# Altium PCB FPGA核心板.PcbDoc (part 2 of 3) (continued)
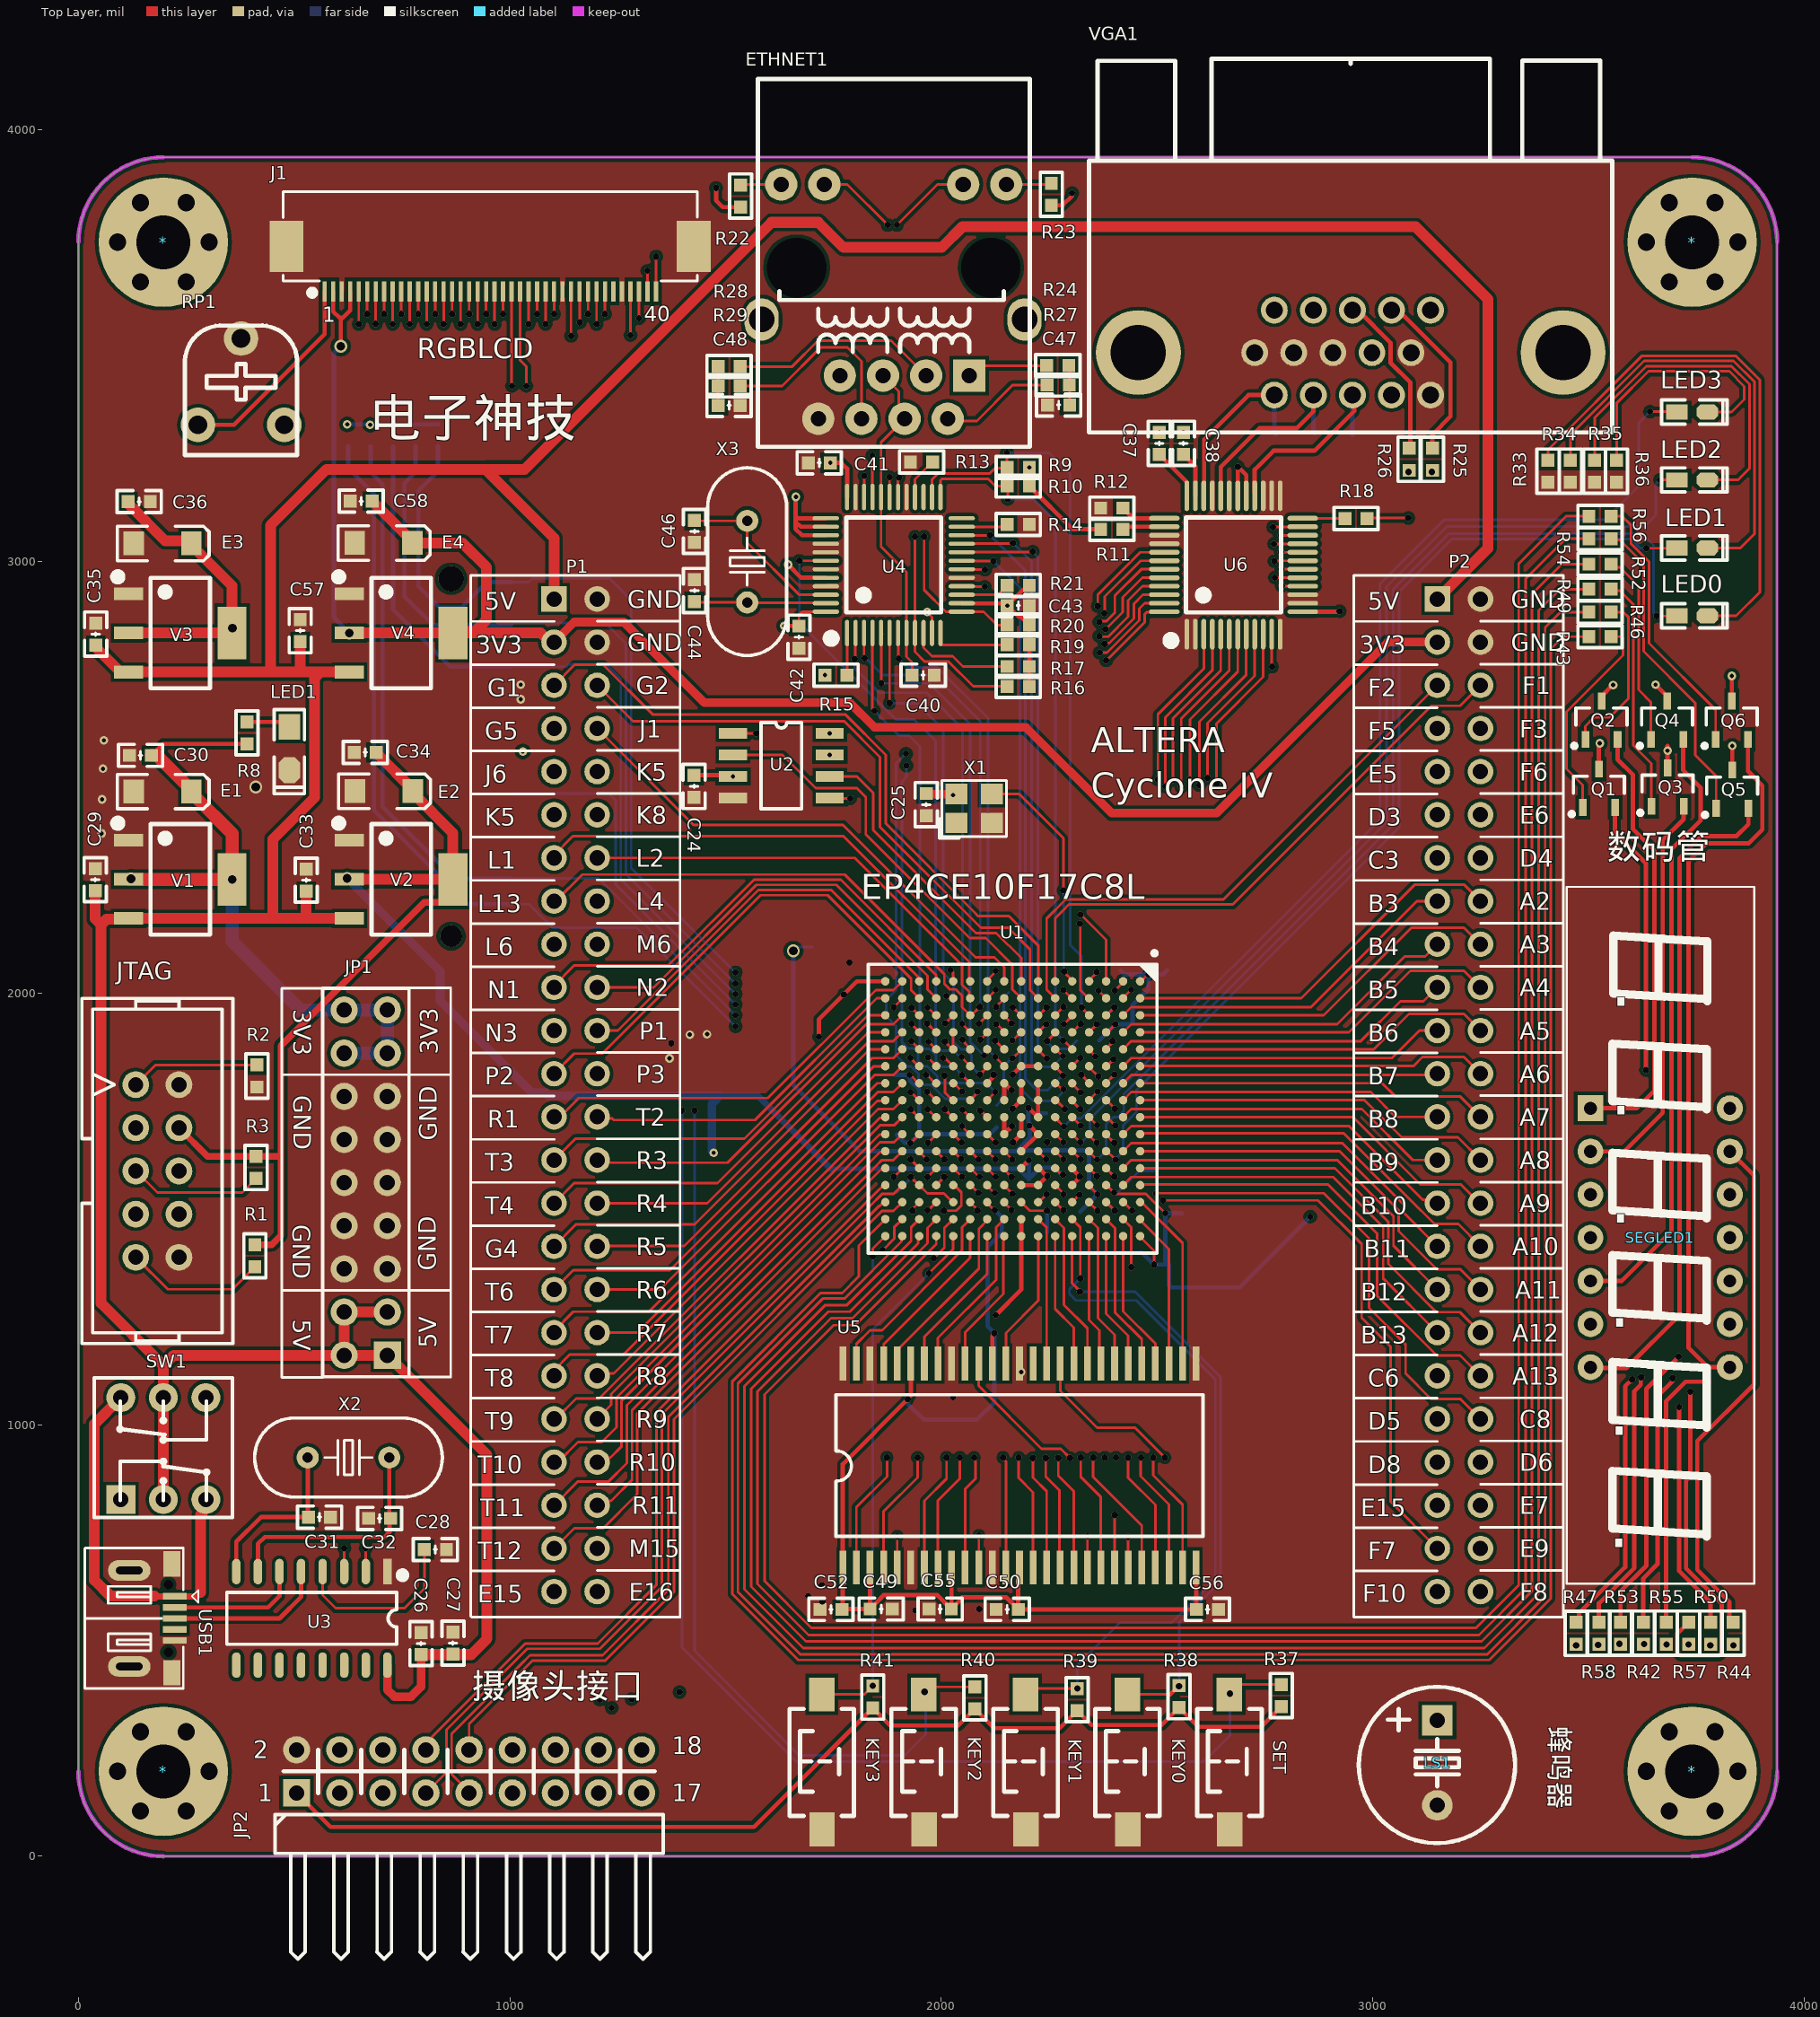
[diagram p0: Top Layer view]
## Nets (pads, with @x,y where several pads share a name; then routed paths per layer and width w, separated by ;. In a path a pad name is that pad's centre, name@x,y a point inside that pad or via, vN(x,y) a via of type N, cw(c..) or ccw(c..) an arc to the next point about the centre after c; other vN are vias at no path point) (continued)
  Layer 2 w6: v1(2245,1655) 2247,1655 2268,1634 2341,1634 v2(2360,1653)
  other v1: 1940,570 2088,573 1724,591 1691,603 1723,628 2027,1064 2321,1575 1374,1884 1787,2071
  other v2: 2245.76,1576
  other v3: 2185,1122 1370,1849 1417,1904 1457,1905 54,2370 55,2449 57,2520 59,2586 1025,2681 1025,2715
  other v4: 411,2478
J1: J1.34 P1.8 U1.J1 | length 2260.4
  Top Layer w6: P1.8@1202.36,2613.39 1425.75,2390 1772,2390 2079,2083 2123,2083 2145.67,2060.33 U1.J1@2145.67,2027.56 ; v1@1220.47,3574.03 J1.34@1220.47,3626.05
  Layer 1 w6: P1.8@1202.36,2613.39 1160,2655.75 1160,3422 1220.44,3482.44 v1(1220.44,3574)
KEY2: KEY2.2 R40.2 U1.M2 | length 2880.5
  Top Layer w6: KEY2.2@1959.02,375 1976.61,392.59 R40.2@2078,392.59 ; v1(2011.57,1993.57) 2014,1993.57 2016.76,1990.81 2024.94,1990.81 U1.M2@2027.56,1988.19 U1.M2@2027.19,1988.19
  Layer 2 w6: v1(1428,1728) 1589.98,1889.98 1630.98,1889.98 1776,2035 1969,2035 2010.43,1993.57 v1(2011.57,1993.57)
  Bottom Layer w6: v1(1428,1728) 1428,476 1670,234 1915,234 1964,283 1964,378 v1(1961,381)
KEY3: KEY3.2 R41.2 U1.M16 | length 1245.6
  Top Layer w6: KEY3.2@1722.8,375 1821.41,375 R41.2@1841,394.59 ; v2(1971,1350.67) 2027.56,1407.22 U1.M16@2027.56,1437.01
  Bottom Layer w6: v1(1841,395) 1841,1220.67 v2(1971,1350.67)
L1: J1.33 P1.13 U1.L1 | length 2680.6
  Top Layer w6: P1.13@1102.36,2313.39 1102.36,2320.36 1146,2364 1773,2364 2064.31,2072.69 2064.31,2030.18 U1.L1@2066.93,2027.56 ; v1@1200.82,3550.38 J1.33@1200.82,3626.08
  Layer 1 w6: P1.13@1102.36,2313.39 1026.61,2313.39 987,2353 987,2774 1076,2863 1133,2863 1146,2876 1146,3428 1200.79,3482.79 v1(1200.79,3550.35)
L2: J1.32 P1.14 U1.L2 | length 2706.3
  Top Layer w6: v1(1181.1,3574.03) J1.32@1181.1,3626.05 ; P1.14@1202.36,2313.39 1799.61,2313.39 2048.09,2064.91 2048.09,2019.75 2064.31,2003.53 2064.31,1990.81 U1.L2@2066.93,1988.19
  Layer 1 w6: v1(1181.1,3574.03) 1181.1,3486.1 1061.13,3366.13 1061.13,2872.13 973,2784 973,2307 1013.51,2266.49 1159.49,2266.49 1202.36,2309.36 P1.14@1202.36,2313.39
LCD_B0: J1.21 P1.27 U1.T3 | length 3106.2
  Top Layer w6: v1(964.6,3550.38) J1.21@964.6,3626.08 ; P1.27@1102.36,1613.39 1151.98,1663 1543.51,1663 1829.33,1948.82 U1.T3@1870.08,1948.82
  Layer 1 w6: v1(964.6,3550.38) 964.6,3459.81 940.5,3435.72 940.5,2927.44 851.64,2838.58 851.64,2248.48 953.87,2146.25 953.87,1700.13 1040.61,1613.39 P1.27@1102.36,1613.39
LCD_B1: J1.22 P1.28 U1.R3 | length 3138.2
  Top Layer w6: v1(984.25,3574.03) J1.22@984.25,3626.05 ; P1.28@1202.36,1613.39 1208.51,1607.24 1504.73,1607.24 1825.78,1928.29 1888.92,1928.29 U1.R3@1909.45,1948.82
  Layer 1 w6: v1(984.25,3574.03) 984.25,3462.5 952.5,3430.75 952.5,2922.47 863.64,2833.61 863.64,2253.45 965.87,2151.22 965.87,1706.13 1004,1668 1131,1668 1135,1664 1151.75,1664 P1.28@1202.36,1613.39
LCD_B2: J1.23 P1.24 U1.P3 | length 2960.3
  Top Layer w6: J1.23@1004,3626.05 1004,3408 v1(1005,3407) ; v2(1931,1966) 1948.18,1948.82 U1.P3@1948.82,1948.82
  Layer 1 w6: v1(1005,3407) 1001,3403 1001,2903.09 911.64,2813.73 911.64,2273.33 1013.87,2171.1 1013.87,1930.13 1088,1856 1159.75,1856 P1.24@1202.36,1813.39 1510.98,2122 1775,2122 v2(1931,1966)
LCD_B3: J1.24 P1.21 U1.N3 | length 2885.6
  Top Layer w6: J1.24@1023.62,3626.05 1024,3625.67 1024,3466 1038,3452 v1(1038,3407) ; v2(1968,1966.5) 1969.25,1966.5 1986.94,1948.82 U1.N3@1988.19,1948.82
  Layer 1 w6: v1(1038,3407) 1038,3396 1025,3383 1025,2893.15 935.64,2803.79 935.64,2283.27 1037.87,2181.05 1037.87,1975.13 1099.61,1913.39 P1.21@1102.36,1913.39 1148.98,1960 1325,1960 1499,2134 1800,2134 1967.5,1966.5 v2(1968,1966.5)
LCD_B4: J1.25 P1.26 U1.T2 | length 2964.7
  Top Layer w6: v1@1043.34,3550.38 J1.25@1043.34,3626.08 ; P1.26@1202.36,1713.39 1206.12,1709.62 1237.38,1709.62 1241,1706 1567.97,1706 1850.16,1988.19 U1.T2@1870.08,1988.19
  Layer 1 w6: v1(1043.31,3550.35) 1043.31,3487.61 976.5,3420.81 976.5,2912.53 887.64,2823.67 887.64,2263.39 989.87,2161.16 989.87,1807.13 1039,1758 1145,1758 1189.61,1713.39 P1.26@1202.36,1713.39
LCD_B5: J1.26 P1.25 U1.R1 | length 3071
  Top Layer w6: v1(1062.96,3574) J1.26@1062.99,3626.05 ; P1.25@1102.36,1713.39 1116.39,1713.39 1160,1757 1598,1757 1848.03,2007.03 1888.92,2007.03 U1.R1@1909.45,2027.56
  Layer 1 w6: v1(1062.96,3574) 1036,3574 1010,3548 1010,3471.28 964.5,3425.78 964.5,2917.5 875.64,2828.64 875.64,2258.42 977.87,2156.19 977.87,1780.13 1044.61,1713.39 P1.25@1102.36,1713.39
LCD_B6: J1.27 P1.23 U1.P2 | length 3104.8
  Top Layer w6: v1(1082.71,3550.38) J1.27@1082.71,3626.08 ; P1.23@1102.36,1813.39 1148.98,1860 1213.91,1860 1580.91,2227 1736.66,2227 1929.98,2033.68 1929.98,2007.03 U1.P2@1948.82,1988.19
  Layer 1 w6: v1(1082.71,3550.38) 1082.71,3510.04 988.5,3415.83 988.5,2907.56 899.64,2818.7 899.64,2268.36 1001.87,2166.13 1001.87,1913.88 P1.23@1102.36,1813.39
LCD_B7: J1.28 P1.22 U1.P1 | length 3001.2
  Top Layer w6: v1(1102.36,3574.03) J1.28@1102.36,3626.05 ; P1.22@1202.36,1913.39 1250.33,1913.39 1575.94,2239 1745,2239 1946.2,2037.8 1946.2,2030.18 U1.P1@1948.82,2027.56
  Layer 1 w6: v1(1102.36,3574.03) 1102.36,3509.36 1021.5,3428.5 1021.5,3399.5 1013,3391 1013,2898.12 923.64,2808.76 923.64,2278.3 1025.87,2176.07 1025.87,1935.4 1088.26,1873 1165,1873 1202.36,1910.36 P1.22@1202.36,1913.39
LCD_CLK: J1.30 P1.20 U1.N2 | length 2832.3
  Top Layer w6: J1.30@1141.73,3626.05 1141.73,3523.27 v1(1142,3523) ; P1.20@1202.36,2013.39 1333.36,2013.39 1570.97,2251 1757,2251 1967.66,2040.34 1967.66,2008.72 U1.N2@1988.19,1988.19
  Layer 1 w6: v1(1142,3523) 1142,3465 1049.13,3372.13 1049.13,2883.15 959.77,2793.79 959.77,2293.27 1062,2191.04 1062,2099.26 1100.78,2060.48 1155.27,2060.48 P1.20@1202.36,2013.39
LCD_DISP: J1.31 P1.19 U1.N1 | length 2876.7
  Top Layer w6: P1.19@1102.36,2013.39 1102.36,2017.36 1149,2064 1367,2064 1566,2263 1767,2263 1987.99,2042.01 1987.99,2027.76 U1.N1@1988.19,2027.56 ; J1.31@1161.45,3626.08 1160,3624.63 1162,3622.63 v1(1162,3554)
  Layer 1 w6: P1.19@1102.36,2013.39 1049.87,2065.88 1049.87,2186.02 947.64,2288.24 947.64,2798.82 1037,2888.18 1037,3378 1121,3462 1121,3534 1141,3554 v1(1162,3554)
LCD_G0: J1.13 P1.35 U1.T7 | length 3712.3
  Top Layer w6: v1(807.12,3550.38) J1.13@807.12,3626.08 ; P1.35@1102.36,1213.39 1102.36,1217.36 1147,1262 1322,1262 1851.24,1791.24 1869.98,1791.24 U1.T7@1870.08,1791.34
  Layer 1 w6: v1(807.12,3550.38) 807.12,3462.85 844,3425.97 844,3339.02 844,3073.88 755,2984.88 755,2116.03 857.87,2013.16 857.87,1297.13 936.91,1218.09 1097.66,1218.09 P1.35@1102.36,1213.39
LCD_G1: J1.14 P1.36 U1.R7 | length 3704.8
  Top Layer w6: v1(826.77,3574.03) J1.14@826.77,3626.05 ; P1.36@1202.36,1213.39 1295.39,1213.39 1852.81,1770.81 1888.92,1770.81 U1.R7@1909.45,1791.34
  Layer 1 w6: v1(826.77,3574.03) 826.77,3460.17 856,3430.94 856,3343.99 856,3068.91 767,2979.91 767,2121 869.87,2018.13 869.87,1347.22 955.09,1262 1122,1262 1163.83,1220.17 1195.58,1220.17 P1.36@1202.36,1213.39
LCD_G2: J1.15 P1.33 U1.T6 | length 3547.7
  Top Layer w6: v1(846.49,3550.38) J1.15@846.49,3626.08 ; P1.33@1102.36,1313.39 1146.98,1358 1371,1358 1843.71,1830.71 U1.T6@1870.08,1830.71
  Layer 1 w6: v1(846.49,3550.38) 846.49,3457.42 868,3435.91 868,3348.96 868,3063.94 779,2974.94 779,2125.97 881.87,2023.1 881.87,1408.71 977.19,1313.39 P1.33@1102.36,1313.39
LCD_G3: J1.16 P1.34 U1.R6 | length 3569
  Top Layer w6: v1(866.14,3574.03) J1.16@866.14,3626.05 ; P1.34@1202.36,1313.39 1348.39,1313.39 1845.18,1810.18 1888.92,1810.18 U1.R6@1909.45,1830.71
  Layer 1 w6: v1(866.14,3574.03) 866.14,3454.74 880,3440.88 880,3353.93 880,3058.97 791,2969.97 791,2130.94 893.87,2028.07 893.87,1413.68 951.54,1356 1159.75,1356 P1.34@1202.36,1313.39
LCD_G4: J1.17 P1.31 U1.T5 | length 3447.8
  Top Layer w6: v1@885.86,3550.38 J1.17@885.86,3626.08 ; P1.31@1102.36,1413.39 1152.98,1464 1428,1464 1834.08,1870.08 U1.T5@1870.08,1870.08
  Layer 1 w6: v1(885.83,3550.35) 892,3544.17 892,3445.85 892,3358.9 892,3054 803,2965 803,2135.91 905.87,2033.05 905.87,1418.65 914.51,1410 1098.98,1410 P1.31@1102.36,1413.39
LCD_G5: J1.18 P1.32 U1.R5 | length 3414.3
  Top Layer w6: v1(905.48,3574) J1.18@905.51,3626.05 ; P1.32@1202.36,1413.39 1202.98,1414 1404,1414 1839.55,1849.55 1888.92,1849.55 U1.R5@1909.45,1870.08
  Layer 1 w6: v1@905,3574 904.5,3573.5 904.5,2942.35 815.64,2853.49 815.64,2233.56 917.87,2131.34 917.87,1513.13 970,1461 1154.75,1461 P1.32@1202.36,1413.39
LCD_G6: J1.19 P1.29 U1.T4 | length 3281.1
  Top Layer w6: v1(925.23,3550.38) J1.19@925.23,3626.08 ; P1.29@1102.36,1513.39 1148.98,1560 1481.49,1560 1830.93,1909.45 U1.T4@1870.08,1909.45
  Layer 1 w6: v1(925.23,3550.38) 925.23,3454.39 916.5,3445.66 916.5,2937.38 827.64,2848.52 827.64,2238.54 929.87,2136.31 929.87,1545.13 961.61,1513.39 P1.29@1102.36,1513.39
LCD_G7: J1.20 P1.30 U1.R4 | length 3252.5
  Top Layer w6: v1(944.88,3574.03) J1.20@944.88,3626.05 ; P1.30@1202.36,1513.39 1457.33,1513.39 1832.86,1888.92 1888.92,1888.92 U1.R4@1909.45,1909.45
  Layer 1 w6: v1(944.88,3574.03) 944.88,3457.07 928.5,3440.69 928.5,2932.41 839.64,2843.55 839.64,2243.51 941.87,2141.28 941.87,1646.13 1018,1570 1145.75,1570 P1.30@1202.36,1513.39
LCD_R0: J1.5 P1.43 U1.T11 | length 4259.2
  Top Layer w6: v1(649.64,3550.38) J1.5@649.64,3626.08 ; P1.43@1102.36,813.39 1156.98,868 1228,868 1271,911 1271,1045 1857.65,1631.65 1867.87,1631.65 U1.T11@1870.08,1633.86
  Layer 1 w6: v1(649.64,3550.38) 649.64,3469.36 746,3373 746,3113.06 658,3025.06 658,2077.03 692,2043.03 ; 692,2043 761.87,1973.13 761.87,1153.88 P1.43@1102.36,813.39
LCD_R1: J1.6 P1.44 U1.R11 | length 4298.3
  Top Layer w6: v1(669.29,3574.03) J1.6@669.29,3626.05 ; P1.44@1202.36,813.39 1212.51,823.54 1234.54,823.54 1283,872 1283,1034 1851.24,1602.24 1851.24,1602.29 1862.27,1613.33 1888.92,1613.33 U1.R11@1909.45,1633.86
  Layer 1 w6: v1(669.29,3574.03) 669.29,3469.71 759,3380 759,3109.09 670,3020.09 670,2082.03 700,2052.03 ; 700,2052 773.87,1978.13 773.87,1163.13 1073,864 1157,864 1202.36,818.64 P1.44@1202.36,813.39
LCD_R2: J1.7 P1.41 U1.T10 | length 4108.1
  Top Layer w6: v1(689,3551) J1.7@689.01,3626.08 ; P1.41@1102.36,913.39 1111.39,913.39 1158,960 1212.84,960 1247,994.16 1247,1063 1856.33,1672.33 1869.18,1672.33 U1.T10@1870.08,1673.23
  Layer 1 w6: v1(689,3551) 689,3476 772,3393 772,3105.12 682,3015.12 682,2087 785.87,1983.13 785.87,1184.13 1056.61,913.39 P1.41@1102.36,913.39
LCD_R3: J1.8 P1.42 U1.R10 | length 4145.8
  Top Layer w6: v1(708.66,3574.03) J1.8@708.66,3626.05 ; P1.42@1202.36,913.39 1212.51,923.54 1232.54,923.54 1259,950 1259,1056 1857.39,1654.39 1890.61,1654.39 U1.R10@1909.45,1673.23
  Layer 1 w6: v1(708.66,3574.03) 708.66,3474.34 784,3399 784,3100.15 694,3010.15 694,2091.97 797.87,1988.1 797.87,1198.13 1035.52,960.48 1155.27,960.48 P1.42@1202.36,913.39
LCD_R4: J1.9 P1.39 U1.T9 | length 3957.5
  Top Layer w6: v1(728.35,3550.35) J1.9@728.35,3626.05 ; P1.39@1102.36,1013.39 1106.39,1013.39 1153.48,1060.48 1206.48,1060.48 1857.02,1711.02 1868.5,1711.02 U1.T9@1870.08,1712.6
  Layer 1 w6: v1(728.35,3550.35) 728.35,3471.65 796,3404 796,3095.18 706,3005.18 706,2096.94 809.87,1993.07 809.87,1206.85 1003.33,1013.39 P1.39@1102.36,1013.39
LCD_R5: J1.10 P1.40 U1.R9 | length 3993.4
  Top Layer w6: v1(748,3574) J1.10@748.03,3626.05 ; P1.40@1202.36,1013.39 1235,1046.02 1235,1071 1857.76,1693.76 1890.61,1693.76 U1.R9@1909.45,1712.6
  Layer 1 w6: v1(748,3574) 748,3471 808,3411 808,3090.21 718,3000.21 718,2101.91 821.87,1998.05 821.87,1211.82 973.21,1060.48 1155.27,1060.48 P1.40@1202.36,1013.39
LCD_R6: J1.11 P1.37 U1.T8 | length 3862.4
  Top Layer w6: v1(767.75,3550.38) J1.11@767.75,3626.08 ; P1.37@1102.36,1113.39 1102.36,1126.36 1139,1163 1264,1163 1851.24,1750.24 1868.35,1750.24 U1.T8@1870.08,1751.97
  Layer 1 w6: v1(767.75,3550.38) 767.75,3468.28 820,3416.03 820,3085.24 730,2995.24 730,2106.88 833.87,2003.02 833.87,1216.79 937.27,1113.39 P1.37@1102.36,1113.39
LCD_R7: J1.12 P1.38 U1.R8 | length 3879.1
  Top Layer w6: v1(787.4,3574.03) J1.12@787.4,3626.05 ; P1.38@1202.36,1113.39 1207.87,1118.89 1240.89,1118.89 1853.44,1731.44 1888.92,1731.44 U1.R8@1909.45,1751.97
  Layer 1 w6: v1(787.4,3574.03) 787.4,3465.6 832,3421 832,3080.27 742,2990.27 742,2111.85 845.87,2007.99 845.87,1221.76 892.77,1174.86 1146.14,1174.86 1202.36,1118.64 P1.38@1202.36,1113.39
LED0: LED0.1 U1.D11 | length 2521.7
  Top Layer w6: U1.D11@2342.52,1633.86 2342.52,1632.48 v2(2361,1614) ; v1(3658,2874) 3704.89,2874 LED0.1@3705.16,2874.27
  Bottom Layer w6: v2(2361,1614) 2382,1635 2382,1696 2399,1713 2409,1713 2423,1727 2423,1766 3046.85,2389.85 3046.85,2935.85 3175.69,3064.69 3623.65,3064.69 3650.5,3037.83 3650.5,2881.5 v1(3658,2874)
LED1: LED1.1@3705.16,3031.75 U1.C11 | length 2322.8
  Top Layer w6: U1.C11@2381.89,1633.86 2384.14,1633.86 v2(2404,1614) ; v1(3634,3031) 3704.41,3031 LED1.1@3705.16,3031.75
  Bottom Layer w6: v2(2404,1614) 2404,1616 2421,1633 2421,1693 2452,1724 2452,1775 3060.99,2383.99 3060.99,2929.99 3183.69,3052.69 3598.31,3052.69 3620,3031 v1(3634,3031)
LED2: LED2.1 U1.E10 | length 2427.8
  Top Layer w6: U1.E10@2303.15,1673.23 2303.21,1673.23 2321.94,1654.5 v2(2322,1654.5) ; v1(3665.5,3189.5) 3704.89,3189.5 LED2.1@3705.16,3189.23
  Bottom Layer w6: v2(2322,1654.5) 2324.8,1654.5 2344.5,1674.2 2344.5,1708.5 3032,2396 3032,2942 3171.68,3081.68 3629.68,3081.68 3656,3108 3656,3180 v1(3665.5,3189.5)
LED3: LED3.1 U1.F9 | length 2543
  Top Layer w6: U1.F9@2263.78,1712.6 2263.78,1711.22 v2(2284,1691) ; v1(3642.5,3347.5) 3704.38,3347.5 LED3.1@3705.16,3346.71
  Bottom Layer w6: v2(2284,1691) 2302.5,1709.5 2323.83,1709.5 3016.68,2402.35 3016.68,2948.35 3165.33,3097 3538,3097 3616,3175 3616,3321 v1(3642.5,3347.5)
LEDSEG_A: R42.2 U1.M11 | length 2672.7
  Top Layer w6: U1.M11@2027.56,1633.86 v2(2046,1615.5)
  Layer 2 w6: v2(2046,1615.5) 2046.5,1615.5 2046.67,1615.33 2056.67,1615.33 2079,1593 2096,1593 2105,1584 2105,1492 2080,1467 2080,1155.03 2222.03,1013 2585.64,1013 2752,846.64 2752,658.05 2943.05,467 3193.05,467 3379.05,281 3462.97,281 3628,446.03 3628,491 v1(3629,492)
LEDSEG_B: R44.2 U1.N12 | length 2947.4
  Top Layer w6: v2(1968,1574) 1988.19,1594.19 U1.N12@1988.19,1594.49
  Layer 2 w6: v2(1968,1574) 2024,1518 2024,1131.83 2198.83,957 2562.45,957 2696,823.45 2696,634.85 2919.85,411 3169.85,411 3355.85,225 3486.17,225 3637.17,376 3801,376 3836,411 v1(3836,489)
LEDSEG_C: R47.2 U1.C9 | length 2298
  Top Layer w6: U1.C9@2381.89,1712.6 2383.4,1712.6 v2(2403,1693)
  Layer 2 w6: v2(2403,1693) 2404,1693 2423,1674 2423,1473 2378,1428 2378,1117 2429,1066 2607.6,1066 2805,868.6 2805,680 2965,520 3215,520 3401,334 3441.02,334 3471,363.98 v1(3471,489)
LEDSEG_CH1: R43.2 U1.T15 | length 5364.2
  Top Layer w6: U1.T15@1870.08,1476.38 1809,1415.3 1809,1344 1770,1305 1720,1305 1515.87,1100.87 1515.87,607.13 1668.13,454.87 3269.87,454.87 3412.25,597.25 3412.25,2797.25 3441,2826 R43.2@3500.82,2826
LEDSEG_CH2: R46.2 U1.R16 | length 5359.4
  Top Layer w6: U1.R16@1909.45,1437.01 1907.41,1434.96 1907.41,1424.41 1775.27,1292.27 1725.27,1292.27 1528.59,1095.59 1528.59,612.41 1673.41,467.59 3264.59,467.59 3399.52,602.52 3399.52,2847.52 3435,2883 R46.2@3500.82,2883
LEDSEG_CH3: R49.2 U1.P15 | length 5419.5
  Top Layer w6: U1.P15@1948.82,1476.38 1929.98,1457.54 1929.98,1425.98 1781.42,1277.42 1731.42,1277.42 1543.44,1089.44 1543.44,618.56 1679.56,482.44 3258.44,482.44 3384.67,608.67 3384.67,2886.67 3434,2936 R49.2@3500.82,2936
LEDSEG_CH4: R52.2 U1.P16 | length 5384.2
  Top Layer w6: U1.P16@1948.82,1437.01 1946.2,1434.39 1946.2,1420.2 1787.87,1261.87 1737.87,1261.87 1559,1083 1559,625 1686,498 3252,498 3369.11,615.11 3369.11,2925.11 3438,2994 R52.2@3500.82,2994
LEDSEG_CH5: R54.2 U1.N15 | length 5444.4
  Top Layer w6: U1.N15@1988.19,1476.38 1967.66,1455.85 1967.66,1420.66 1794.02,1247.02 1744.02,1247.02 1573.85,1076.85 1573.85,631.15 1692.15,512.85 3245.85,512.85 3354.26,621.26 3354.26,2960.26 3447,3053 R54.2@3500.82,3053
LEDSEG_CH6: R56.2 U1.N16 | length 5402.6
  Top Layer w6: U1.N16@1988.19,1437.01 1988.17,1418.17 1800.75,1230.75 1750.75,1230.75 1590.11,1070.11 1590.11,637.89 1698.89,529.11 3239.11,529.11 3338,628 3338,2995 3448,3105 R56.2@3500.82,3105
LEDSEG_D: R50.2 U1.N13 | length 2840
  Top Layer w6: U1.N13@1988.19,1555.12 1988.19,1555.19 v2(2007,1574)
  Layer 2 w6: v2(2007,1574) 2008.5,1572.5 2008.5,1557.5 2041,1525 2041,1138.88 2205.88,974 2569.49,974 2713,830.49 2713,641.89 2926.89,428 3176.89,428 3362.89,242 3479.12,242 3627.12,390 3745,390 3785,430 3785,486 v1(3782,489)
LEDSEG_DOT: R58.2 U1.D9 | length 2354
  Top Layer w6: U1.D9@2342.52,1712.6 2342.52,1712.48 v2(2361,1694)
  Layer 2 w6: v2(2361,1694) 2382,1673 2382,1463 2360,1441 2360,1109.54 2417.54,1052 2601.8,1052 2791,862.8 2791,674.2 2959.2,506 3209.2,506 3395.2,320 3446.82,320 3522,395.18 v1(3522,490)
LEDSEG_E: R53.2 U1.M10 | length 2698.5
  Top Layer w6: U1.M10@2027.56,1673.23 2027.77,1673.23 v2(2047,1654)
  Layer 2 w6: v2(2047,1654) 2082,1654 2107,1629 2107,1602 2115,1594 2134,1594 2146,1582 2146,1492 2092,1438 2092,1160 2227,1025 2590.62,1025 2764,851.62 2764,663.02 2948.02,479 3198.02,479 3384.02,293 3458,293 3571.5,406.5 v1(3571.5,492.5)
LEDSEG_F: R55.2 U1.N11 | length 2744.3
  Top Layer w6: U1.N11@1988.19,1633.86 1988.19,1633.58 2007,1614.77 v2(2007,1614.5)
  Layer 2 w6: v2(2007,1614.5) 2010.22,1611.28 2023.18,1611.28 2040.46,1594 2051.83,1594 2067.5,1578.33 2067.5,1150.56 2217.06,1001 2580.67,1001 2740,841.67 2740,653.08 2938.08,455 3188.08,455 3374.08,269 3467.94,269 3613.94,415 3661,415 3681,435 v1(3681,491)
LEDSEG_G: R57.2 U1.P11 | length 2835.9
  Top Layer w6: U1.P11@1948.82,1633.86 1948.82,1632.77 1966,1615.59 v2(1966,1614.5)
  Layer 2 w6: v2(1966,1614.5) 1966,1614 1985,1595 2012,1595 2012,1594.74 2026,1580.74 2026,1570 2055,1541 2055,1144.67 2211.67,988 2575.29,988 2727,836.29 2727,647.69 2932.69,442 3182.69,442 3368.69,256 3473.33,256 3619.33,402 3701,402 3732,433 v1(3732,491)
LINE_LED: ETHNET1.11 R16.2 U4.9 | length 1695.1
  Top Layer w6: ETHNET1.11@1728.94,3874.02 1781.98,3874.02 v1(1876,3780) ; v1(1939,3058) U4.9@1938.98,2834.66 1938.98,2791.02 1962,2768 2017,2768 2074,2711 R16.2@2152.82,2711
  Layer 1 w6: v1(1876,3780) 1876,3690 1650.74,3464.74 1650.74,3254.26 1824.26,3080.74 1929,3080.74 ; 1931.26,3080.74 1937.5,3074.5 1937.5,3059.5 v1(1939,3058)
M6: P1.18 U1.M6 | length 1040.8
  Top Layer w6: v2(2004,1850) 2007.88,1850 2027.18,1830.71 U1.M6@2027.56,1830.71
  Layer 1 w6: P1.18@1202.36,2113.39 1234.98,2146 1830,2146 1988,1988 1988,1868 2004,1852 v2(2004,1850)
M15: P1.46 U1.M15 | length 1168.1
  Top Layer w6: v2(1982.67,1385.67) 2007.03,1410.03 2007.03,1455.85 U1.M15@2027.56,1476.38
  Layer 2 w6: P1.46@1202.36,713.39 1310.39,713.39 v2(1982.67,1385.67)
NetC28_1: C28.1 U3.4 | length 412.1
  Top Layer w6: U3.4@566,659.69 566,605 596,575 756,575 801.82,620.82 C28.1@801.82,711
NetC31_2: C31.2 U3.8 X2.1 | length 399.1
  Top Layer w10: U3.8@366,659.69 366,729 423,786 C31.2@533.41,786 531.51,787.9 X2.1@531.51,924
NetC32_2: C32.2 U3.7 X2.2 | length 555.8
  Top Layer w10: U3.7@416,659.69 416,724 432,740 710,740 721,751 721,780.41 C32.2@723.59,783 720.49,786.1 X2.2@720.49,924
NetC37_1: C37.1 U6.36 | length 122.3
  Top Layer w10: C37.1@2505,3248.41 2568.71,3184.7 2568.71,3152.77 U6.36@2568.9,3152.57
NetC38_1: C38.1 U6.35 | length 107.3
  Top Layer w10: C38.1@2561,3248.41 2588.58,3220.83 U6.35@2588.58,3152.57
NetC44_1: C44.1 U4.47 X3.2 | length 305.9
  Top Layer w6: C44.1@1428,2907.41 1429.9,2905.51 X3.2@1550,2905.51 1551.23,2904.28 1731.56,2904.28 U4.47@1732.3,2903.54
NetC46_1: C46.1 U4.46 X3.1 | length 405.5
  Top Layer w6: C46.1@1428,3095.59 1429.1,3094.49 X3.1@1550,3094.49 1550,3044 1671,2923 1732.07,2923 U4.46@1732.3,2923.23
NetC47_1: C47.1 R24.1 R27.1 | length 91.8
  Top Layer w6: R24.1@2295.59,3454 2297.59,3452 C47.1@2297.59,3363
NetC48_1: C48.1 R28.1 R29.1 | length 90
  Top Layer w6: C48.1@1482.41,3362 R29.1@1482.41,3407 R28.1@1482.41,3452
NetETHNET1_9: ETHNET1.9 R23.1 | length 105.5
  Top Layer w6: ETHNET1.9@2150.59,3874.02 2252.42,3874.02 R23.1@2255,3876.59
NetETHNET1_12: ETHNET1.12 R22.1 | length 94.5
  Top Layer w6: R22.1@1535,3872.59 1536.42,3874.02 ETHNET1.12@1628.94,3874.02
NetJ1_1: J1.1 RP1.1 | length 480
  Top Layer w10: RP1.1@277,3317 361,3317 570.87,3526.87 J1.1@570.87,3626.05
NetLED1_1: LED1.1@489,2617 R8.1 | length 102.8
  Top Layer w10: R8.1@391,2628.59 477.41,2628.59 LED1.1@489,2617
NetLED2_2: LED0.2 R33.2 | length 1264.8
  Top Layer w6: R33.2@3406,3235.18 3406,3259 3624,3477 3840.97,3477 3897,3420.97 3897,2929 3842.27,2874.27 LED0.2@3775.16,2874.27
NetLED3_2: LED1.2@3775.16,3031.75 R34.2 | length 1051.6
  Top Layer w6: R34.2@3458,3235.18 3458,3294.03 3628.97,3465 3836,3465 3885,3416 3885,3065 3851.75,3031.75 LED1.2@3775.16,3031.75
NetLED4_2: LED2.2 R35.2 | length 827.9
  Top Layer w6: R35.2@3514,3235.18 3514,3333.06 3633.94,3453 3831.03,3453 3873,3411.03 3873,3216 3846.23,3189.23 LED2.2@3775.16,3189.23
NetLED5_2: LED3.2 R36.2 | length 601
  Top Layer w6: R36.2@3565,3235.18 3565,3367.09 3638.91,3441 3826.06,3441 3861,3406.06 3861,3376 3831.71,3346.71 LED3.2@3775.16,3346.71
NetR4_2: R4.2 U1.J3 | length 110
  Top Layer w6: U1.J3@2145.67,1948.82 2145.67,1947.33 v2(2163,1930)
  Bottom Layer w6: R4.2@2156,2002 2145,1991 2145,1948 v2(2163,1930)
NetR5_2: R5.2 U1.H14 | length 118.3
  Top Layer w6: U1.H14@2185.04,1515.75 2204.79,1496 v2(2245,1496)
  Bottom Layer w10: R5.2@2244.59,1446 2245,1446.42 v2(2245,1496)
NetR6_2: R6.2 U1.H5 | length 154.9
  Top Layer w6: v2(2165,1849) 2185.04,1869.04 U1.H5@2185.04,1870.08
  Bottom Layer w6: R6.2@2128,1740 2140,1752 2140,1762.67 2145,1767.67 2145,1831 2163,1849 v2(2165,1849)
NetR7_2: R7.2 U1.F4 | length 115.3
  Top Layer w6: v2(2245,1889) 2263.78,1907.78 U1.F4@2263.78,1909.45
  Bottom Layer w6: v2(2245,1889) 2245,1886.56 2254.76,1876.81 2254.76,1875.24 2259,1871 2295.42,1871 R7.2@2314.41,1890
NetR11_1: R11.1 U6.38 | length 98.5
  Top Layer w10: R11.1@2420.59,3075 2426.3,3080.71 U6.38@2516.72,3080.71
NetR12_1: R12.1 U6.37 | length 105.9
  Top Layer w10: R12.1@2420.59,3124 2444.2,3100.39 U6.37@2516.72,3100.39
NetR13_1: R13.1 U4.28 | length 98.2
  Top Layer w6: U4.28@1938.98,3149.59 1939,3190.41 R13.1@1979.59,3231
NetR14_2: R14.2 U4.23 | length 107.8
  Top Layer w6: U4.23@2047.23,3080.71 2147.52,3080.71 R14.2@2152.82,3086
NetR15_2: R15.2 U4.1 | length 97.7
  Top Layer w6: U4.1@1781.5,2834.66 1781.5,2737.09 R15.2@1781.59,2737
NetR17_2: R17.2 U4.10 | length 246.4
  Top Layer w6: U4.10@1958.66,2834.66 1958.66,2800.34 1968.7,2790.3 1978,2781 2026,2781 2050,2757 R17.2@2152.82,2757
NetR18_1: R18.1 U6.24 | length 98
  Top Layer w6: U6.24@2837.61,3100.39 2935.01,3100.39 R18.1@2935.41,3100
NetR19_2: R19.2 U4.12 | length 180.6
  Top Layer w6: U4.12@1998.03,2834.66 1998.03,2810.11 2001.14,2807 R19.2@2152.82,2807
NetR21_2: R21.2 U4.15 | length 114.6
  Top Layer w6: U4.15@2047.23,2923.23 2131.05,2923.23 R21.2@2152.82,2945
NetR25_2: R25.2 VGA1.14 | length 403.5
  Top Layer w10: VGA1.14@3043.31,3582.68 3057.44,3582.68 3072.03,3568.08 3073.92,3568.08 3180,3462 3180,3336.28 3138,3294.28 R25.2@3138,3262.59
NetR26_2: R26.2 VGA1.13 | length 384.3
  Top Layer w10: VGA1.13@2952.76,3582.68 2965.32,3582.68 3041,3507 3041,3461 3087,3415 3087,3265.59 R26.2@3084,3262.59
NetR42_1: R42.1 SEGLED1.12 | length 1075
  Top Layer w10: R42.1@3627,542.59 3627,644.12 3660,677.12 3660,1066 3695,1101 v1(3695,1108)
  Layer 1 w10: v1(3695,1108) 3697.16,1108 3746,1156.84 3746,1446 3827.44,1527.44 SEGLED1.12@3827.44,1533.28
NetR44_1: R44.1 SEGLED1.13 | length 1202.3
  Top Layer w10: SEGLED1.13@3827.44,1633.28 3883,1577.72 3883,1093 3752,962 3752,664.25 3826.1,590.16 3826.1,551.5 R44.1@3835,542.59
NetR47_1: R47.1 SEGLED1.6 | length 785.8
  Top Layer w10: R47.1@3471,542.18 3477.67,548.85 3477.67,562.67 3585,670 3585,1089 v1(3601,1105)
  Layer 1 w10: SEGLED1.6@3504.44,1233.28 3602,1135.72 3601,1134.72 v1(3601,1105)
NetR50_1: R50.1 SEGLED1.3 | length 1148.4
  Top Layer w10: v1(3710,1041) 3710,661 3783,588 R50.1@3783,542.59
  Layer 1 w10: SEGLED1.3@3504.44,1533.28 3505.15,1534 3575,1534 3656,1453 3656,1099 3710,1045 v1(3710,1041)
NetR53_1: R53.1 SEGLED1.9 | length 820.9
  Top Layer w10: R53.1@3574,542.59 3574,613.75 3634,673.75 3634,1083 v1(3709,1158)
  Layer 2 w6: v1(3709,1158) 3752.15,1158
  Layer 2 w10: 3752.15,1158 SEGLED1.9@3827.44,1233.28
NetR55_1: R55.1 SEGLED1.10 | length 882.2
  Top Layer w10: R55.1@3680,542.59 3680,1054.9 3724.85,1099.75 v1(3776.75,1099.75)
  Layer 1 w10: v1(3776.75,1099.75) 3778,1101 3778,1283.85 SEGLED1.10@3827.44,1333.28